# Allegro board parallella_layout.brd (continued)
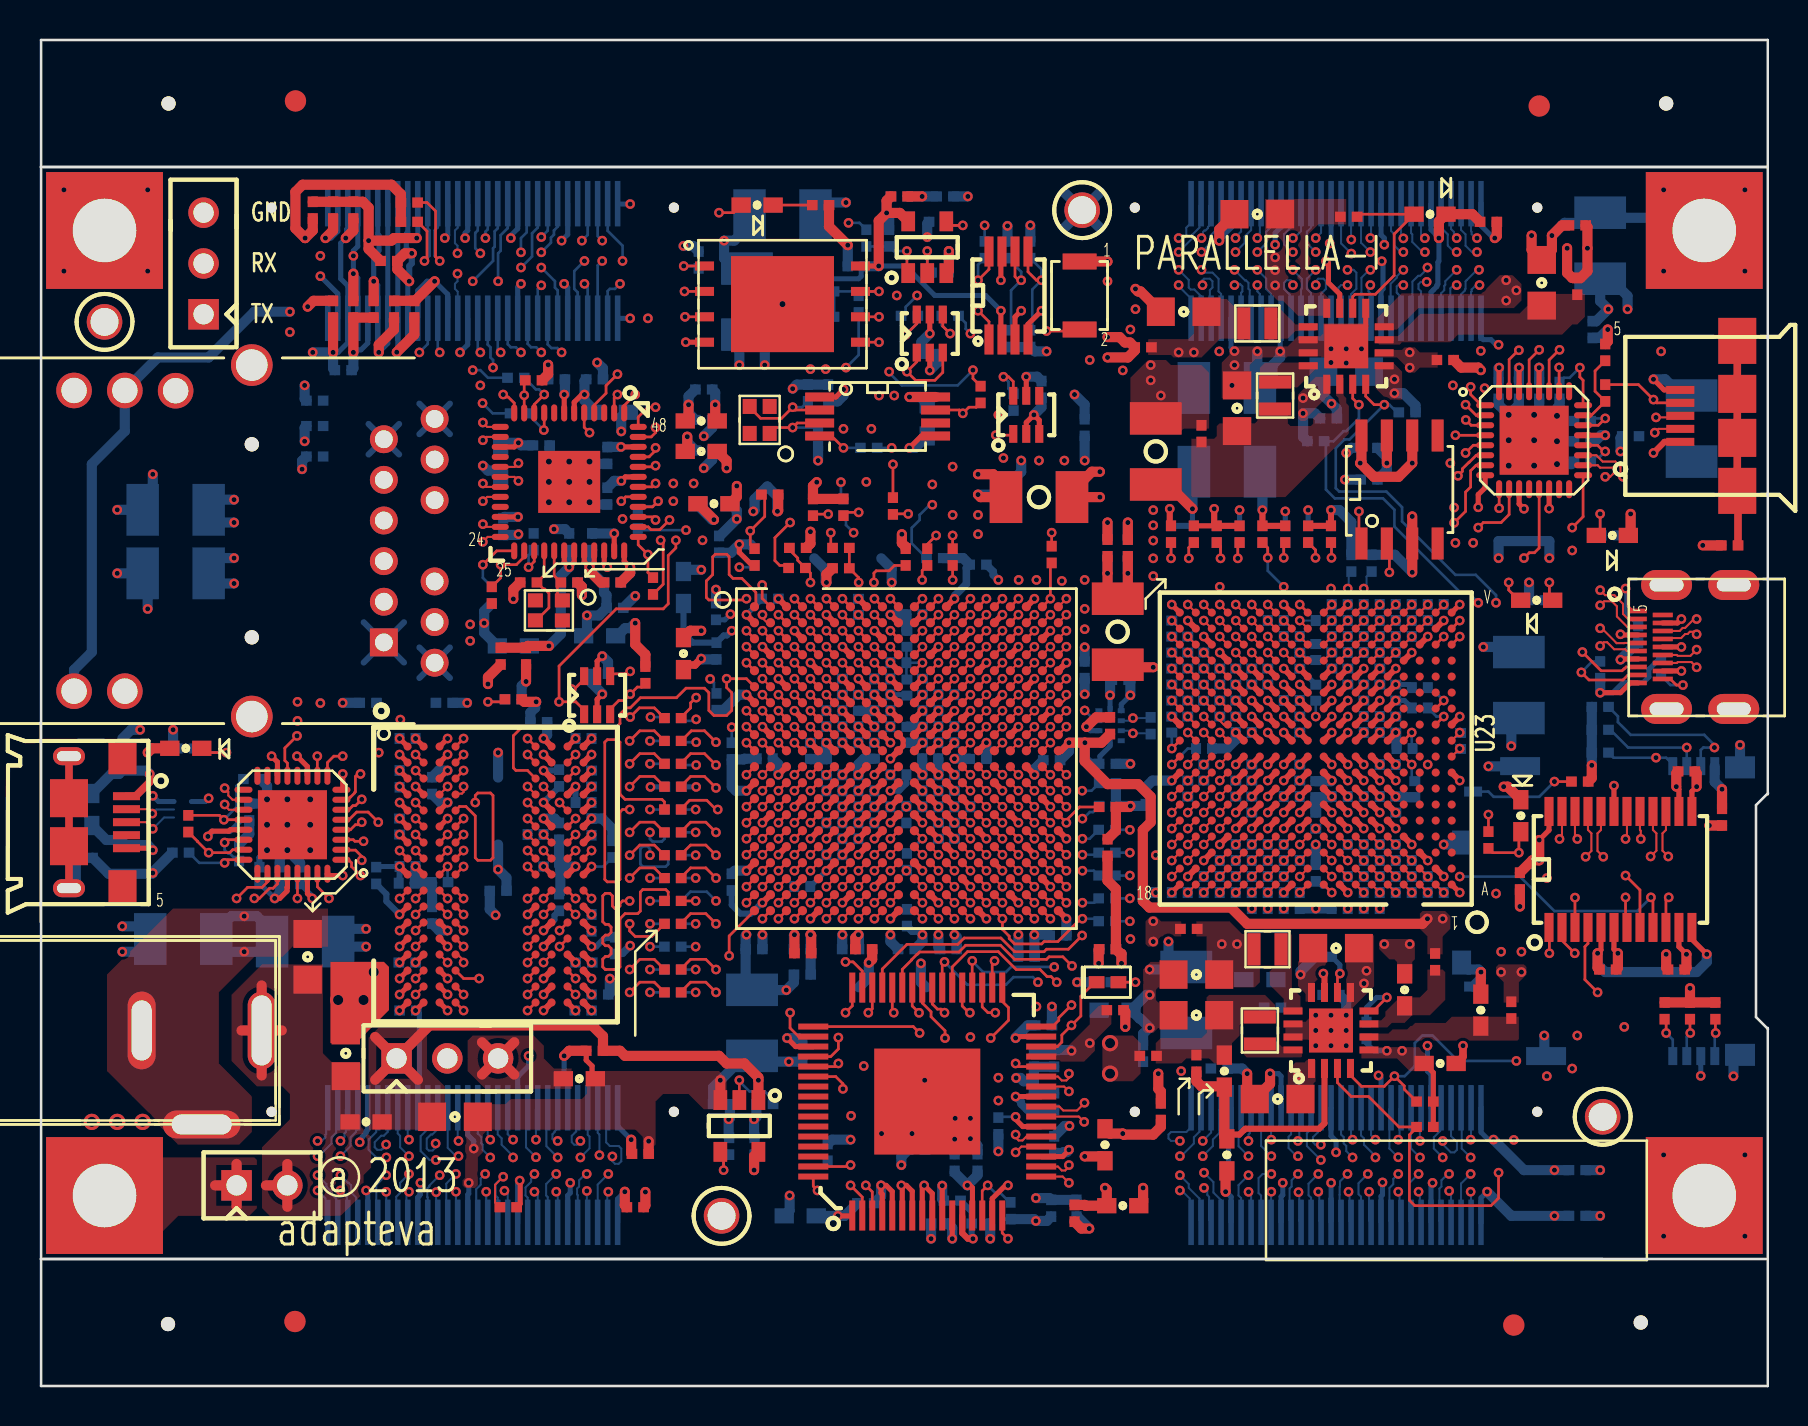
[diagram p0: board, top side]
## Routing (per net, layer and track width the routed paths; a pad name or vN(x,y) marks a point on that pad's centre or on a via; arc(x,y) is an arc through that point) (continued)
RXI_SO_DATA0_P: length 24.8
  TOP w0.102: U23.V2 v1(70.21,39.08)
  L3_SIG w0.095: v1(71.97,55.82) 72,55.82 72.09,55.73 72.52,55.73 72.82,55.42 72.82,54.13 70.16,51.46 70.16,46.55 69.96,46.35 69.96,45.75 70.21,45.5 70.21,41.7 70.3,41.61 71.51,41.61 71.78,41.33 71.78,40.7 71.51,40.43 70.3,40.43 70.21,40.33 70.21,39.2 v1(70.21,39.08)
  BOTTOM w0.102: v1(71.97,55.82) 71.87,55.82 71.36,55.31 71.36,55.3 71.3,55.24 71.3,54.87 71.27,54.84 71.27,54.78 71.07,54.59 J9.5
RXI_SO_DATA1_N: length 24
  TOP w0.102: U23.U4 v1(68.61,38.28)
  L8_SIG w0.095: v1(71.87,57.4) 71.48,57.01 71.48,56.54 71.82,56.21 72.13,56.21 72.57,55.77 72.57,54.61 69.85,51.89 69.85,46.8 69.28,46.23 69.28,39.61 69,39.33 69,38.67 v1(68.61,38.28)
  BOTTOM w0.102: J9.4 71.57,57.75 71.6,57.71 71.6,57.59 71.8,57.4 v1(71.87,57.4)
RXI_SO_DATA1_P: length 24
  TOP w0.102: U23.U3 v1(69.41,38.28)
  L8_SIG w0.095: v1(71.87,56.71) 72.07,56.51 72.26,56.51 72.87,55.9 72.87,54.48 70.16,51.77 70.16,46.67 69.59,46.1 69.59,39.61 69.8,39.4 69.8,38.67 v1(69.41,38.28)
  BOTTOM w0.102: v1(71.87,56.71) 71.62,56.71 71.3,57.02 71.3,57.59 71.07,57.82 J9.6
RXI_SO_DATA2_N: length 24.7
  TOP w0.102: U23.T5 v1(67.81,37.48)
  L8_SIG w0.095: v1(70.86,55.05) 70.86,55.26 70.96,55.37 71.18,55.37 71.3,55.24 71.3,54.92 69.09,52.7 69.09,50.67 68.25,49.83 68.25,49.26 67.94,48.95 67.94,42.76 67.84,42.66 67.51,42.66 67.24,42.39 67.24,41.76 67.51,41.48 67.84,41.48 67.94,41.39 67.94,40.55 67.68,40.3 67.68,39.61 67.4,39.33 67.4,37.18 67.52,37.06 67.69,37.06 67.81,37.18 v1(67.81,37.48)
  BOTTOM w0.102: v1(70.86,55.05) 70.7,55.05 70.54,54.89 70.54,53.43 J9.7
RXI_SO_DATA2_P: length 24.9
  TOP w0.102: U23.T4 v1(68.61,37.48)
  L8_SIG w0.095: v1(68.61,37.48) 68.22,37.87 68.22,39.33 67.99,39.56 67.99,40.17 68.24,40.43 68.24,41.51 67.97,41.79 67.64,41.79 67.54,41.88 67.54,42.26 67.64,42.36 67.97,42.36 68.24,42.63 68.24,48.82 68.56,49.14 68.56,49.71 69.4,50.55 69.4,52.58 71.61,54.79 71.61,55.45 71.24,55.82 v1(70.86,55.82)
  BOTTOM w0.102: v1(70.86,55.82) 70.28,55.24 70.28,55.07 70.23,55.02 70.23,54.8 70.07,54.64 J9.9
RXI_SO_DATA3_N: length 25.5
  TOP w0.102: U23.R6 v1(67.01,36.68)
  L10_SIG w0.095: v1(67.01,36.68) 67.42,37.09 67.97,37.09 68.22,37.33 68.22,37.64 68.45,37.87 68.75,37.87 69,38.12 69,39.42 69.13,39.55 69.37,39.55 69.49,39.67 69.49,40.01 69.85,40.37 69.85,45.85 69.84,45.86 69.84,46.44 69.85,46.45 69.85,56.64 70.45,57.24 70.69,57.24 v1(70.86,57.4)
  BOTTOM w0.102: J9.8 70.57,57.86 70.72,57.71 70.72,57.54 v1(70.86,57.4)
RXI_SO_DATA3_P: length 25.5
  TOP w0.102: U23.R5 v1(67.81,36.68)
  L10_SIG w0.095: v1(70.86,56.71) 70.79,56.77 70.41,56.77 70.16,56.52 70.16,46.32 70.15,46.31 70.15,45.99 70.16,45.98 70.16,40.25 69.8,39.89 69.8,38.12 69.57,37.89 69.26,37.89 69,37.62 69,37.32 68.75,37.07 68.39,37.07 68.1,36.78 67.91,36.78 v1(67.81,36.68)
  BOTTOM w0.102: J9.10 70.07,57.93 70.41,57.59 70.41,57.02 70.73,56.71 v1(70.86,56.71)
RXI_SO_DATA4_N: length 24.9
  TOP w0.102: U23.V5 v1(67.81,39.08)
  L3_SIG w0.095: v1(67.81,39.08) 67.82,39.07 67.82,38.8 67.94,38.68 68.1,38.68 68.22,38.8 68.22,39.24 68.25,39.27 68.25,39.86 67.94,40.17 67.94,41.57 68.21,41.85 68.92,41.85 69.01,41.94 69.01,42.32 68.92,42.42 68.21,42.42 67.94,42.69 67.94,44.26 68.21,44.54 68.87,44.54 68.96,44.63 68.96,45.01 68.87,45.11 68.21,45.11 67.94,45.38 67.94,48.55 68.46,49.07 68.46,49.91 69.09,50.55 69.09,52.2 69.9,53.01 69.9,55.17 69.78,55.3 69.44,55.3 v1(69.36,55.21)
  BOTTOM w0.102: v1(69.36,55.21) 69.06,55.21 68.95,55.1 68.95,54.86 69.07,54.74 J9.13
RXI_SO_DATA4_P: length 25.1
  TOP w0.102: U23.V4 v1(68.61,39.08)
  L3_SIG w0.095: v1(68.61,39.08) 68.58,39.08 68.56,39.1 68.56,39.99 68.24,40.3 68.24,41.45 68.34,41.54 69.05,41.54 69.32,41.82 69.32,42.45 69.05,42.72 68.34,42.72 68.24,42.82 68.24,44.14 68.34,44.23 68.99,44.23 69.27,44.51 69.27,45.14 68.99,45.41 68.34,45.41 68.24,45.51 68.24,48.43 68.76,48.95 68.76,49.78 69.4,50.42 69.4,52.07 70.21,52.88 70.21,55.3 69.9,55.6 69.73,55.6 v1(69.4,55.93)
  BOTTOM w0.102: J9.15 68.64,53.46 68.64,55.23 68.93,55.52 69.03,55.52 69.4,55.88 v1(69.4,55.93)
RXI_SO_DATA5_N: length 24.5
  TOP w0.102: U23.U6 v1(67.01,38.28)
  L10_SIG w0.095: v1(67.01,38.28) 67.4,38.67 67.4,39.22 67.69,39.52 67.69,40.06 67.88,40.24 67.88,41.45 68.15,41.72 68.84,41.72 68.94,41.82 68.94,42.2 68.84,42.3 68.19,42.3 67.88,42.6 67.88,46.78 68.25,47.15 68.25,49.96 68.96,50.67 68.96,53.59 68.58,53.98 68.58,56.74 69.24,57.4 v1(69.26,57.4)
  BOTTOM w0.102: v1(69.26,57.4) 69.26,57.4 69.14,57.4 69.07,57.47 J9.14
RXI_SO_DATA5_P: length 24.8
  TOP w0.102: U23.U5 v1(67.81,38.28)
  L10_SIG w0.095: v1(69.27,56.71) 69.01,56.71 68.89,56.58 68.89,54.1 69.27,53.72 69.27,50.55 68.56,49.84 68.56,47.03 68.19,46.66 68.19,42.73 68.31,42.6 68.97,42.6 69.24,42.33 69.24,41.69 68.97,41.42 68.28,41.42 68.19,41.32 68.19,40.07 68,39.88 68,39.57 68.2,39.37 68.2,38.4 68.07,38.28 v1(67.81,38.28)
  BOTTOM w0.102: v1(69.27,56.71) 69.14,56.71 68.63,57.21 68.63,57.59 68.57,57.65 J9.16
RXI_SO_DATA6_N: length 25.4
  TOP w0.102: U23.T7 v1(66.21,37.48)
  L8_SIG w0.095: v1(66.21,37.48) 66.21,37.18 66.09,37.06 65.92,37.06 65.8,37.18 65.8,40.11 66.04,40.35 66.04,42.93 66.47,43.36 66.47,51.43 66.6,51.56 66.6,52.32 66.47,52.45 66.22,52.45 65.92,52.76 65.92,53.97 66.22,54.28 68.27,54.28 68.64,54.64 68.64,55.24 68.51,55.37 68.32,55.37 68.19,55.24 v1(68.19,55.05)
  BOTTOM w0.102: J9.17 68.07,54.46 67.92,54.62 67.86,54.68 67.86,54.99 67.99,55.12 68.13,55.12 v1(68.19,55.05)
RXI_SO_DATA6_P: length 25.4
  TOP w0.102: U23.T6 v1(67.01,37.48)
  L8_SIG w0.095: v1(68.19,55.82) 68.33,55.68 68.64,55.68 68.94,55.37 68.94,54.52 68.4,53.98 66.35,53.98 66.22,53.85 66.22,52.88 66.35,52.76 66.6,52.76 66.91,52.45 66.91,51.44 66.78,51.31 66.78,43.23 66.35,42.8 66.35,40.38 66.6,40.13 66.6,39.87 66.6,39.87 66.6,37.88 v1(67.01,37.48)
  BOTTOM w0.102: J9.19 67.57,54.46 67.55,54.48 67.55,55.12 67.86,55.42 67.86,55.49 v1(68.19,55.82)
RXI_SO_DATA7_N: length 24.3
  TOP w0.102: U23.R8 v1(65.41,36.68)
  L10_SIG w0.095: v1(68.19,57.39) 67.8,57 67.8,56.75 67.56,56.51 67.56,56.17 67.49,56.1 67.49,51.31 66.42,50.24 66.42,41.26 66.04,40.88 66.04,40.39 65.82,40.16 65.82,36.99 65.51,36.68 v1(65.41,36.68)
  BOTTOM w0.102: J9.18 68.07,57.51 v1(68.19,57.39)
RXI_SO_DATA7_P: length 24.4
  TOP w0.102: U23.R7 v1(66.21,36.68)
  L10_SIG w0.095: v1(68.19,56.71) 67.87,56.38 67.87,56.05 67.8,55.98 67.8,51.18 66.73,50.11 66.73,41.14 66.35,40.75 66.35,40.44 66.6,40.18 66.6,37.07 v1(66.21,36.68)
  BOTTOM w0.102: J9.20 67.57,57.76 67.69,57.64 67.74,57.59 67.74,57.02 68.06,56.71 v1(68.19,56.71)
RXI_SO_FRAME_N: length 25.4
  TOP w0.102: U23.U8 v1(65.41,38.28)
  L3_SIG w0.095: v1(66.54,57.4) 66.04,56.91 66.04,56.3 65.79,56.05 65.79,52.88 66.14,52.53 66.6,52.53 66.68,52.45 66.68,51.69 66.14,51.16 66.14,50.44 66.02,50.31 65.48,50.31 65.2,50.04 65.2,47.65 64.57,47.01 64.57,44.63 65.27,43.93 65.27,41.02 65.75,40.55 65.75,40.22 v1(65.41,39.88) 65.02,39.49 65.02,38.67 v1(65.41,38.28)
  BOTTOM w0.102: v1(66.54,57.4) 66.57,57.44 J9.24 ; R247.2 65.46,40.6 65.46,39.93 v1(65.41,39.88)
RXI_SO_FRAME_P: length 25.5
  TOP w0.102: U23.U7 v1(66.21,38.28)
  L3_SIG w0.095: v1(66.21,38.28) 65.8,38.69 65.8,39.47 v1(66.21,39.88) 66.21,40.52 65.58,41.15 65.58,44.05 64.87,44.75 64.87,46.89 65.51,47.52 65.51,49.91 65.6,50.01 66.14,50.01 66.45,50.31 66.45,51.03 66.98,51.56 66.98,52.58 66.73,52.83 66.27,52.83 66.09,53.01 66.09,55.92 66.35,56.18 66.35,56.52 v1(66.54,56.71)
  BOTTOM w0.102: v1(66.54,56.71) 66.07,57.17 J9.26 ; v1(66.21,39.88) 66.35,40.02 66.35,40.47 R246.2
RXI_SO_LCLK_N: length 24.6
  TOP w0.102: U23.V7 v1(66.21,39.08)
  L3_SIG w0.095: v1(66.21,39.08) 66.21,38.79 66.33,38.66 66.49,38.66 66.62,38.79 66.62,39.24 66.68,39.3 66.68,40.53 66.48,40.73 66.48,44.28 66.76,44.56 66.96,44.56 67.06,44.65 67.06,45.03 66.96,45.13 66.76,45.13 66.48,45.4 66.48,47.25 66.76,47.53 66.99,47.53 67.08,47.62 67.08,48 66.99,48.1 66.76,48.1 66.48,48.37 66.48,49.41 67.05,49.97 67.05,50.79 67.69,51.43 67.69,53.11 68,53.42 68.76,53.42 68.89,53.54 68.89,53.86 68.76,53.99 67.32,53.99 67.05,54.26 67.05,55.05 66.92,55.18 66.66,55.18 v1(66.54,55.05)
  BOTTOM w0.102: J9.23 66.57,54.61 66.45,54.74 66.45,54.96 v1(66.54,55.05)
RXI_SO_LCLK_P: length 25
  TOP w0.102: U23.V6 v1(67.01,39.08)
  L3_SIG w0.095: v1(67.01,39.08) 66.98,39.1 66.98,40.66 66.79,40.85 66.79,44.16 66.88,44.25 67.09,44.25 67.36,44.52 67.36,45.16 67.09,45.43 66.88,45.43 66.79,45.53 66.79,47.13 66.88,47.22 67.11,47.22 67.39,47.49 67.39,48.13 67.11,48.4 66.88,48.4 66.79,48.5 66.79,49.29 67.35,49.85 67.35,50.66 68,51.31 68,52.98 68.13,53.11 68.89,53.11 69.19,53.42 69.19,53.99 68.89,54.29 67.45,54.29 67.35,54.39 67.35,55.18 67.05,55.49 66.87,55.49 v1(66.54,55.82)
  BOTTOM w0.102: v1(66.54,55.82) 66.49,55.82 66.09,55.42 66.09,54.66 66.07,54.64 J9.25
RXO_EA_RD_WAIT: length 7.3
  TOP w0.133: U2.J15 v1(47.34,32.97)
  L8_SIG w0.108: v1(47.34,32.97) 47.35,32.97 47.74,32.57 49.1,32.57 49.34,32.81 49.34,33.13 49.58,33.37 51.84,33.37 v1(52.25,33.78)
  BOTTOM w0.133: U38.8 52.91,33.32 52.71,33.32 v1(52.25,33.78)
RXO_EA_RD_WAIT_N: length 5.9
  TOP w0.102: U23.J17 v1(57.41,31.08)
  L3_SIG w0.095: v1(57.41,31.08) 57.41,31.8 57.25,31.96 57.08,31.96 56.7,32.33 55.55,32.33 55.3,32.59 55.04,32.59 54.99,32.64 v1(54.66,32.64)
  BOTTOM w0.102: U38.3 54.53,32.77 v1(54.66,32.64) 55.51,32.64 R193.2
RXO_EA_RD_WAIT_P: length 5.9
  TOP w0.102: U23.K17 v1(57.41,32.68)
  L3_SIG w0.095: v1(54.66,33.4) 55.17,32.89 55.43,32.89 55.68,32.64 56.83,32.64 57.21,32.26 57.46,32.26 57.58,32.38 57.58,32.5 v1(57.41,32.68)
  BOTTOM w0.102: R193.1 55.51,33.4 v1(54.66,33.4) 54.53,33.27 U38.2
RXO_EA_WR_WAIT_N: length 12.4
  TOP w0.102: U23.K16 v1(58.21,32.68) ; U2.H18 v1(49.74,33.77)
  L10_SIG w0.095: v1(58.21,32.68) 58.37,32.51 58.47,32.51 58.62,32.65 58.62,32.95 58.48,33.09 56.26,33.09 56.14,33.21 56.14,33.43 56,33.56 55.14,33.56 54.91,33.79 53.01,33.79 52.63,34.17 50.32,34.17 50.14,34 50.14,33.51 50.03,33.39 49.86,33.39 49.74,33.51 v1(49.74,33.77)
RXO_EA_WR_WAIT_P: length 12.5
  TOP w0.102: U2.J18 v1(49.74,32.97) ; U23.L16 v1(58.21,33.48)
  L10_SIG w0.095: v1(58.21,33.48) 57.82,33.87 55.27,33.87 55.04,34.1 53.14,34.1 52.8,34.43 52.8,34.72 52.53,34.99 51.5,34.99 51.5,34.98 50.39,34.98 50.14,34.73 50.14,34.43 49.88,34.16 49.57,34.16 49.34,33.93 49.34,33.36 v1(49.74,32.97)
RXO_NO_RD_WAIT_N: length 23.3
  TOP w0.102: U23.B9 v1(64.61,25.48)
  L3_SIG w0.095: v1(64.61,25.48) 64.24,25.48 63.96,25.2 63.96,24.77 64.7,24.03 64.7,21.72 64.82,21.59 65.25,21.59 65.76,21.08 65.76,20.19 64.82,19.25 63.68,19.25 63.35,18.92 63.35,16.51 64.87,14.99 64.87,13.28 65.08,13.08 66.02,13.08 66.34,12.75 66.34,11.14 65.84,10.64 65.84,9.97 65.58,9.71 v1(65.45,9.71)
  BOTTOM w0.102: v1(65.45,9.71) 65.5,9.66 65.5,8.26 J8.27
RXO_NO_RD_WAIT_P: length 23.3
  TOP w0.102: U23.B10 v1(63.01,25.48)
  L3_SIG w0.095: v1(63.01,25.48) 63.39,25.48 63.65,25.21 63.65,24.64 64.39,23.9 64.39,21.59 64.7,21.29 65.13,21.29 65.46,20.95 65.46,20.32 64.7,19.56 63.55,19.56 63.05,19.05 63.05,16.38 64.57,14.86 64.57,13.16 64.95,12.78 65.89,12.78 66.04,12.63 66.04,11.27 65.39,10.62 v1(65.39,10.6)
  BOTTOM w0.102: J8.29 65,8.26 65,9.58 65,9.58 65,9.96 65.02,9.98 65.02,10.23 v1(65.39,10.6)
RXO_NO_WR_WAIT_N: length 22.2
  TOP w0.102: U23.C8 v1(65.41,26.28)
  L5_SIG w0.095: v1(65.41,26.28) 65.41,26.55 65.29,26.67 65.12,26.67 65,26.55 65,24.38 64.87,24.26 64.63,24.26 64.5,24.13 64.5,21.71 64.62,21.59 65.45,21.59 65.83,21.21 65.83,19.22 66.12,18.92 66.12,16.48 65.76,16.13 64.85,16.13 64.65,15.93 64.65,15.24 64.8,15.09 65.23,15.09 65.53,14.78 65.53,14.15 65.23,13.84 64.85,13.84 64.7,13.69 64.7,12.69 64.81,12.57 65.07,12.57 65.33,12.83 65.52,12.83 65.65,12.7 v1(65.65,12.32)
  BOTTOM w0.102: v1(65.65,12.32) 65.65,12.38 65.57,12.46 65.57,13.91 J8.28
RXO_NO_WR_WAIT_P: length 22.6
  TOP w0.102: U23.C9 v1(64.61,26.28)
  L5_SIG w0.095: v1(65.65,11.43) 65.33,11.75 65.33,12.08 65.15,12.27 64.69,12.27 64.39,12.56 64.39,13.82 64.72,14.15 65.1,14.15 65.23,14.27 65.23,14.66 65.1,14.78 64.67,14.78 64.34,15.11 64.34,16.05 64.72,16.43 65.64,16.43 65.81,16.61 65.81,18.8 65.52,19.09 65.52,21.08 65.32,21.28 64.49,21.28 64.2,21.58 64.2,25.87 v1(64.61,26.28)
  BOTTOM w0.102: J8.30 65.07,12.58 65.2,12.45 65.2,12.13 65.33,12.01 65.33,11.75 v1(65.65,11.43)
RXO_SO_RD_WAIT_N: length 24.2
  TOP w0.102: U23.U10 v1(63.01,38.28)
  L3_SIG w0.095: v1(63.01,38.28) 63.01,38.37 63.43,38.79 63.43,39.38 63.06,39.75 63.06,41.87 63.82,42.63 63.82,44.39 63.3,44.91 63.3,45.97 63.82,46.49 63.82,49.39 63.55,49.66 63.55,52.31 64.3,53.06 64.3,55.36 64.57,55.63 65.27,55.63 65.39,55.75 v1(65.39,55.82)
  BOTTOM w0.102: R234.2 v1(63.01,38.28) ; J9.27 65.57,54.6 65.84,54.87 65.84,55.68 65.7,55.82 v1(65.39,55.82)
RXO_SO_RD_WAIT_P: length 23.8
  TOP w0.102: U23.U9 v1(64.61,38.28)
  L3_SIG w0.095: v1(65.39,55.05) 65.39,55.17 65.24,55.32 64.7,55.32 64.6,55.23 64.6,52.93 63.86,52.18 63.86,49.78 64.12,49.52 64.12,46.36 63.6,45.85 63.6,45.03 64.12,44.52 64.12,42.5 63.36,41.75 63.36,40.2 63.81,39.75 63.81,38.74 63.49,38.42 63.49,38.04 63.68,37.85 64.32,37.85 64.61,38.14 v1(64.61,38.28)
  BOTTOM w0.102: J9.29 65.07,54.61 64.95,54.74 64.95,54.93 65.07,55.05 v1(65.39,55.05)
RXO_SO_WR_WAIT_N: length 24.7
  TOP w0.102: U23.T9 v1(64.61,37.48)
  L10_SIG w0.095: v1(65.59,57.33) 65.59,57.2 64.95,56.57 64.95,56.5 64.71,56.26 64.71,56.09 64.7,56.08 64.7,53.39 63.81,52.5 63.81,50.8 65.2,49.4 65.2,47.92 64.51,47.22 64.51,44.9 65.2,44.2 65.2,41.44 64.52,40.75 64.52,40.52 64.18,40.18 64.18,40.04 64.18,40.04 64.18,39.72 64.18,39.71 64.18,37.9 v1(64.61,37.48)
  BOTTOM w0.102: v1(65.59,57.33) 65.57,57.34 J9.28
RXO_SO_WR_WAIT_P: length 24.8
  TOP w0.102: U23.T8 v1(65.41,37.48)
  L10_SIG w0.095: v1(65.59,56.63) 65.52,56.63 65.27,56.38 65.25,56.38 65.01,56.13 65.01,55.96 65,55.95 65,53.27 64.11,52.37 64.11,50.93 65.51,49.53 65.51,47.79 64.81,47.09 64.81,45.02 65.51,44.32 65.51,41.31 64.82,40.63 64.82,40.31 65.02,40.12 65.02,37.87 v1(65.41,37.48)
  BOTTOM w0.102: v1(65.59,56.63) 65.07,57.14 J9.30
SD_CLK: length 59.7
  TOP w0.133: R32.2 44.38,42.09 v1(44.82,42.53) ; R33.1 83.8,17.79 83.81,17.78 v1(83.81,17.65)
  L3_SIG w0.108: v1(72.82,24.63) 73.33,25.13 73.33,28.58 72.19,29.72 70.79,29.72 69.43,31.08 v1(69.41,31.08)
  L8_SIG w0.108: v1(83.81,17.65) 82.36,19.1 77.27,19.1 76,20.37 76,22.15 75.05,23.1 73.9,23.1 72.85,24.16 72.85,24.6 v1(72.82,24.63)
  L10_SIG w0.108: v1(69.41,31.08) 68.49,31.99 62.98,31.99 62.6,32.37 62.6,32.84 62.37,33.07 62.04,33.07 61.8,33.31 61.8,33.64 61.57,33.87 61.24,33.87 61,34.11 61,34.44 60.77,34.67 60.44,34.67 60.2,34.91 60.2,35.24 59.97,35.47 59.64,35.47 59.4,35.71 59.4,36.04 59.17,36.27 58.85,36.27 58.61,36.51 58.61,36.84 58.37,37.07 58.05,37.07 57.81,37.31 57.81,37.64 57.57,37.87 57.25,37.87 57.01,38.11 57.01,38.44 56.77,38.67 56.45,38.67 55.17,39.95 55.17,40.64 54.16,41.66 52,41.66 51.11,42.55 51.11,43.05 50.91,43.25 47.93,43.25 47.72,43.04 46.66,43.04 46.28,42.66 46.28,42.47 45.95,42.14 45.22,42.14 v1(44.82,42.53)
  BOTTOM w0.133: v1(83.81,17.65) 83.76,17.61 J3.5
SD_CMD: length 69.4
  TOP w0.133: U2.C6 v1(39.33,37.77)
  L5_SIG w0.108: v1(39.33,37.77) 39.57,37.77 39.97,37.37 43.07,37.37 43.23,37.21 43.23,35.18 43.74,34.67 43.74,34.41 43.98,34.17 44.3,34.17 44.54,33.93 44.54,33.61 44.78,33.37 45.1,33.37 45.34,33.13 45.34,32.81 45.58,32.57 45.9,32.57 46.14,32.33 46.14,32.01 46.37,31.77 46.69,31.77 47.74,30.73 47.74,30.4 47.98,30.17 48.3,30.17 48.54,29.93 48.54,29.6 48.77,29.37 49.09,29.37 49.34,29.13 49.34,28.8 49.57,28.57 49.89,28.57 50.14,28.33 50.14,28 50.38,27.77 52.3,27.77 52.53,27.53 52.53,27.53 53.77,26.29 53.77,23.11 v1(54.54,22.35)
  L8_SIG w0.108: v1(83.75,31.93) 82.35,30.53 82.35,28.96 80.19,26.8 79.17,26.8 77.78,25.4 v1(75.36,25.4)
  L10_SIG w0.108: v1(54.54,22.35) 54.92,22.73 59.87,22.73 60.25,22.35 65.97,22.35 66.22,22.61 68.58,22.61 68.71,22.48 70.79,22.48 72.35,24.04 73.1,24.04 73.76,24.7 75.05,24.7 75.36,25.02 v1(75.36,25.4)
  BOTTOM w0.133: R39.1 78.92,33.49 78.92,33.2 79.56,32.56 83.24,32.56 83.75,32.05 v1(83.75,31.93) 83.19,31.93 83.06,31.8 J3.3
SD_DAT0: length 75.3
  TOP w0.133: v1(82.54,17.65) 82.54,17.72 82.53,17.73 R37.1 ; U2.E9 v1(41.73,36.17)
  L5_SIG w0.108: v1(75.36,15.49) 75.87,14.99 75.87,11.81 75.24,11.18 75.24,9.78 74.12,8.66 54.51,8.66 53.9,9.27 53.9,10.16 52.95,11.11 52.95,17.72 53.39,18.16 53.39,25.96 52.39,26.97 50.38,26.97 50.13,27.21 50.13,27.53 49.89,27.77 49.57,27.77 49.33,28.01 49.33,28.33 49.09,28.57 47.17,28.57 46.94,28.8 46.94,29.13 46.7,29.37 46.37,29.37 46.14,29.6 46.14,29.93 45.9,30.17 45.57,30.17 45.34,30.4 45.34,30.79 44.88,31.24 44.88,31.5 44.53,31.85 44.53,32.33 44.3,32.57 43.81,32.57 42.93,33.45 42.93,33.93 42.7,34.17 42.34,34.17 42.14,34.37 42.14,34.41 42.14,35.77 v1(41.73,36.17)
  L8_SIG w0.108: v1(75.36,15.49) 77,17.13 77.05,17.13 77.29,17.36 77.29,17.42 77.32,17.45 79.49,17.45 79.87,17.83 79.87,18.08 80.25,18.47 81.73,18.47 v1(82.54,17.65)
  BOTTOM w0.133: v1(82.54,17.65) 82.36,17.48 J3.7
SD_DAT1: length 74.9
  TOP w0.133: R36.1 81.33,18.26 v1(81.33,17.65) ; U2.E8 v1(40.93,36.17)
  L5_SIG w0.108: v1(40.93,36.17) 41.34,35.77 41.34,33.61 41.57,33.37 42.69,33.37 42.93,33.13 42.93,32.81 43.74,32 43.74,31.62 44.54,30.83 44.54,30.4 44.77,30.17 45.1,30.17 45.34,29.93 45.34,29.6 45.57,29.37 45.9,29.37 46.14,29.13 46.14,28.8 46.37,28.57 46.7,28.57 46.93,28.34 46.93,28.01 47.17,27.77 49.09,27.77 49.33,27.53 49.33,27.21 49.57,26.97 49.89,26.97 50.13,26.73 50.13,26.41 50.38,26.17 52.37,26.17 53.01,25.53 53.01,22.23 52.5,21.72 52.5,20.83 52.89,20.45 52.89,19.3 52.63,19.05 52.63,17.91 52,17.27 52,16.26 52.65,15.6 52.65,9.89 54.18,8.36 74.45,8.36 76.25,10.16 76.25,15.49 v1(76.63,15.88)
  L8_SIG w0.108: v1(81.33,17.65) 80.69,17.01 77.76,17.01 v1(76.63,15.88)
  BOTTOM w0.133: J3.8 81.66,17.32 v1(81.33,17.65)
SD_DAT2: length 50.4
  TOP w0.133: U2.C5 v1(38.53,37.77)
  L8_SIG w0.108: v1(80.83,31.42) 78.59,33.66 77.65,33.66 75.82,35.48 60.44,35.48 60.2,35.72 60.2,36.04 59.97,36.27 56.18,36.27 55.04,37.41 52.69,37.41 v1(52.25,37.85)
  L10_SIG w0.108: v1(38.53,37.77) 38.94,38.17 42.87,38.17 43.67,38.97 47.49,38.97 47.74,38.73 47.74,38.41 47.98,38.17 51.93,38.17 v1(52.25,37.85)
  BOTTOM w0.133: J3.1 81.66,31.09 81.33,31.42 v1(80.83,31.42) 78.7,31.42 R35.1
SD_DAT3: length 54.7
  TOP w0.133: U2.C8 v1(40.93,37.77)
  L3_SIG w0.108: v1(40.93,37.77) 41.34,37.37 41.34,36.81 41.57,36.57 42.91,36.57 43.71,35.77 44.3,35.77 44.54,35.53 44.54,35.21 44.77,34.97 45.9,34.97 45.9,34.98 46.37,34.98 46.37,34.97 46.7,34.97 46.94,35.21 46.94,36.33 47.18,36.57 47.5,36.57 47.74,36.81 47.74,37.13 47.98,37.37 48.3,37.37 48.54,37.61 48.54,37.93 48.77,38.17 51.68,38.17 52,38.48 52,38.61 v1(52.25,38.86)
  L8_SIG w0.108: v1(52.25,38.86) 53.27,37.85 55.54,37.85 56.31,37.07 59.97,37.07 60.2,36.84 60.2,36.52 60.44,36.28 75.53,36.28 77.78,34.04 79.1,34.04 81.21,31.93 v1(82.36,31.93)
  BOTTOM w0.133: J3.2 v1(82.36,31.93) 79.43,31.93 78.54,32.82 R34.1
SD_DETECT: length 93.4
  TOP w0.133: U2.E6 v1(39.33,36.17) ; R38.1 v1(75.75,30.23)
  L5_SIG w0.108: v1(39.33,36.17) 39.53,35.98 39.53,35.92 39.74,35.71 39.74,34.41 39.98,34.17 40.3,34.17 41.34,33.13 41.34,32.81 41.58,32.57 42.72,32.57 43.3,31.99 43.3,30.85 43.98,30.17 44.3,30.17 44.54,29.93 44.54,29.6 44.78,29.37 45.1,29.37 45.34,29.13 45.34,28.8 45.58,28.57 45.9,28.57 46.14,28.33 46.14,28 46.38,27.77 46.7,27.77 46.94,27.53 46.94,27.2 47.18,26.97 49.1,26.97 49.34,26.73 49.34,25.6 49.57,25.37 51.57,25.37 52.63,24.31 52.63,22.35 52.12,21.84 52.12,20.7 52.38,20.45 52.38,19.37 52.06,19.05 52.06,17.7 51.81,17.45 51.49,17.45 50.98,16.94 50.98,13.97 50.41,13.4 50.41,10.53 51.43,9.51 52.38,9.51 53.83,8.05 76.18,8.05 77.02,8.89 77.02,13.83 77.14,13.96 77.14,16.13 76.38,16.89 76.38,18.41 77.4,19.43 77.4,25.02 77.78,25.4 77.78,27.05 76.25,28.58 76.25,29.72 v1(75.75,30.23)
  BOTTOM w0.133: v1(75.75,30.23) 74.98,29.46 72.7,29.46 72.44,29.72 J3.10
SPDIF: length 120
  TOP w0.133: v1(41.3,10.03) 41.63,9.71 U26.3
  L3_SIG w0.108: v1(41.3,10.03) 40.29,9.02 36.88,9.02 36.35,9.55 33.23,9.55 32.18,8.51 11.48,8.51 11.1,8.89 11.1,11.68 10.47,12.32 10.47,13.72 9.71,14.48 5.39,14.48 3.61,16.26 3.61,19.69 9.83,25.91 9.83,30.48 11.99,32.64 11.99,34.92 15.67,38.61 15.67,47.24 17.83,49.4 20.37,49.4 21.14,48.64 22.28,48.64 22.66,49.02 v1(22.66,50.93)
  L8_SIG w0.108: v1(54.51,23.24) 55.04,22.71 55.04,21.87 54.58,21.41 54.58,20.87 54.16,20.45 54.16,18.91 54.73,18.34 54.73,15.96 52.48,13.72 51.56,13.72 51.11,13.26 51.11,13.19 51.09,13.17 51.09,12.61 49.02,10.54 41.81,10.54 v1(41.3,10.03)
  BOTTOM w0.133: R82.2 v1(54.51,23.24) ; v1(22.66,50.93) 22.66,51.31 22.53,51.43 22.53,51.94 22.39,52.08 J13.27
SYS_5P0V: length 22.9
  TOP w0.254: R276.2 R280.2 69.69,15.67 C254.1 ; U12.21 v1(78.29,47.54) ; U37.11 81.97,21.97 v1(82.35,21.59)
  TOP w0.508: 67.36,47.53 v1(67.36,46.15) ; C258.1 82.35,20.92 v1(82.35,21.59)
  L10_SIG w0.508: J14.2 21.07,17.08 ; J14.2 21.07,15.68 ; J14.2 19.67,15.68 ; J14.2 19.67,17.08
  BOTTOM w0.254: J13.2 28.91,59.11 v1(29.52,59.11) ; v1(67.36,16.76) 66.73,16.76 66.35,17.14 R283.2 ; J13.1 28.9,53.39 v1(29.52,53.39)
  BOTTOM w0.508: C52.1 67.36,45.8 v1(67.36,46.15) 67.36,46.44 C279.1 ; C274.1 63.77,48.64 v1(63.17,48.64) 63.17,47.46 R284.1 ; v1(67.74,49.64) 68.19,49.64 68.8,49.03 R285.1 ; v1(63.05,20.57) 63.05,20.74 R277.2 ; C59.1 77.78,47.24 78.08,47.54 v1(78.29,47.54)
  vias: v1(61.78,56.44) v1(61.78,55.8) v1(61.78,55.04) v1(62.92,15.54) v1(63.17,49.4) v1(67.74,50.34) v1(68.13,16.76) v1(73.33,55.3) v1(73.33,54.28) v1(73.84,54.79) v2(2.59,13.21) v2(3.86,13.21) v2(5.13,13.21)
TURBO_MODE: length 93.3
  TOP w0.133: U36.4 34.19,11.54 v1(34.19,10.79) ; U2.R16 v1(48.14,27.37)
  L3_SIG w0.108: v1(48.14,27.37) 47.73,27.77 47.73,28.33 47.5,28.57 47.17,28.57 46.93,28.8 46.93,29.13 46.7,29.37 46.37,29.37 46.13,29.6 46.13,29.93 45.9,30.17 45.57,30.17 45.33,30.4 45.33,30.73 45.1,30.97 44.77,30.97 43.52,32.22 43.52,34.14 42.69,34.97 42.37,34.97 42.13,35.21 42.13,35.53 41.89,35.77 39.97,35.77 39.74,36.01 39.74,37.93 39.98,38.17 40.3,38.17 40.54,38.41 40.54,38.73 40.78,38.97 41.1,38.97 41.34,39.21 41.34,39.55 41.57,39.79 41.87,39.79 42.11,40.02 42.11,41 41.96,41.15 41.96,45.4 40.76,46.61 40.76,47.29 v1(40.19,47.87)
  L5_SIG w0.108: v1(40.19,47.87) 38.65,49.4 34.34,49.4 33.07,50.67 31.6,50.67 30.66,51.61 27.29,51.61 26.71,52.2 23.55,52.2 v1(23.04,51.69)
  L10_SIG w0.108: v1(48.14,27.37) 48.54,27.77 48.54,28.33 48.77,28.57 49.84,28.57 49.84,28.57 49.9,28.57 50.13,28.8 50.13,29.13 50.37,29.37 52.27,29.37 53.14,28.5 53.14,28.19 53.52,27.81 53.52,27.43 53.72,27.23 53.77,27.23 54.03,26.97 54.03,21.84 54.54,21.34 54.54,20.57 52.25,18.29 52.25,17.96 51.62,17.32 51.11,17.32 50.35,16.56 50.35,15.04 49.33,14.02 48.44,14.02 48.06,13.64 47.3,13.64 46.92,14.02 42.22,14.02 41.2,13 39.42,13 36.63,10.21 34.77,10.21 v1(34.19,10.79)
  BOTTOM w0.133: R328.2 34.19,11.29 v1(34.19,10.79) ; v1(23.04,51.69) 22.89,51.84 J13.25
TXI_EA_RD_WAIT_N: length 15.1
  TOP w0.102: U2.J14 v1(46.54,32.97) ; U23.G17 v1(57.41,29.48)
  L3_SIG w0.095: v1(57.41,29.48) 57.7,29.48 57.84,29.61 57.84,29.72 57.67,29.89 56.86,29.89 56.84,29.87 56.39,29.87 56.22,30.05 56.22,30.21 54.74,31.69 54.14,31.69 53.72,32.11 53.72,32.51 53.22,33.02 53.01,33.02 52.57,32.58 46.93,32.58 v1(46.54,32.97)
TXI_EA_RD_WAIT_P: length 15.2
  TOP w0.102: U23.H17 v1(57.41,30.28) ; U2.K14 v1(46.54,32.17)
  L3_SIG w0.095: v1(57.41,30.28) 57.01,30.67 56.19,30.67 54.87,31.99 54.27,31.99 54.03,32.23 54.03,32.64 53.31,33.36 46.34,33.36 46.13,33.15 46.13,32.58 v1(46.54,32.17)
TXI_EA_WR_WAIT_N: length 13.4
  TOP w0.102: U23.H16 v1(58.21,30.28) ; U2.J16 v1(48.14,32.97)
  L5_SIG w0.095: v1(48.14,32.97) 47.74,32.58 47.74,32.01 48.04,31.71 54.51,31.71 55.55,30.67 57.82,30.67 v1(58.21,30.28)
TXI_EA_WR_WAIT_P: length 13.2
  TOP w0.102: U23.J16 v1(58.21,31.08) ; U2.K16 v1(48.14,32.17)
  L5_SIG w0.095: v1(48.14,32.17) 48.06,32.25 48.06,32.45 48.19,32.58 53.2,32.58 53.39,32.38 53.39,32.14 53.52,32.02 54.63,32.02 55.68,30.97 56.12,30.97 56.21,31.07 56.21,31.29 56.41,31.49 56.77,31.49 56.78,31.5 58.13,31.5 58.21,31.42 v1(58.21,31.08)
TXI_NO_RD_WAIT_N: length 24.7
  TOP w0.102: U23.B11 v1(62.21,25.48)
  L5_SIG w0.095: v1(62.92,12.26) 62.92,12.07 62.79,11.94 62.52,11.94 62.4,12.07 62.4,13.84 62.09,14.15 60.38,14.15 60.25,14.27 60.25,14.68 60.38,14.81 62.1,14.81 62.41,15.11 62.41,16.38 62.03,16.76 61.14,16.76 61.01,16.89 61.01,18.83 61.14,18.96 62.16,18.96 62.46,19.26 62.46,19.83 62.16,20.14 61.74,20.14 61.65,20.23 61.65,22.99 61.78,23.11 62.54,23.11 62.66,23.24 62.66,23.37 62.21,23.83 v1(62.21,23.88) 62.62,24.29 62.62,25.19 62.28,25.53 62.26,25.53 v1(62.21,25.48)
  BOTTOM w0.102: J8.38 62.98,13.82 62.98,12.32 v1(62.92,12.26)
TXI_NO_RD_WAIT_P: length 24.9
  TOP w0.102: U23.B12 v1(61.41,25.48)
  L5_SIG w0.095: v1(62.92,11.49) 62.54,11.49 62.09,11.94 62.09,13.72 61.97,13.84 60.25,13.84 59.95,14.15 59.95,14.81 60.25,15.11 61.98,15.11 62.11,15.24 62.11,16.26 61.9,16.46 61.01,16.46 60.71,16.76 60.71,18.96 61.01,19.26 62.03,19.26 62.16,19.39 62.16,19.71 62.03,19.83 61.62,19.83 61.34,20.11 61.34,23.81 v1(61.41,23.88) 61.82,24.29 61.82,25.11 61.44,25.48 v1(61.41,25.48)
  BOTTOM w0.102: J8.40 62.57,12.59 62.45,12.46 62.45,11.9 62.85,11.49 v1(62.92,11.49)
